# Altium PCB UNT 3-ALL.pcbdoc (part 1 of 4) (continued)
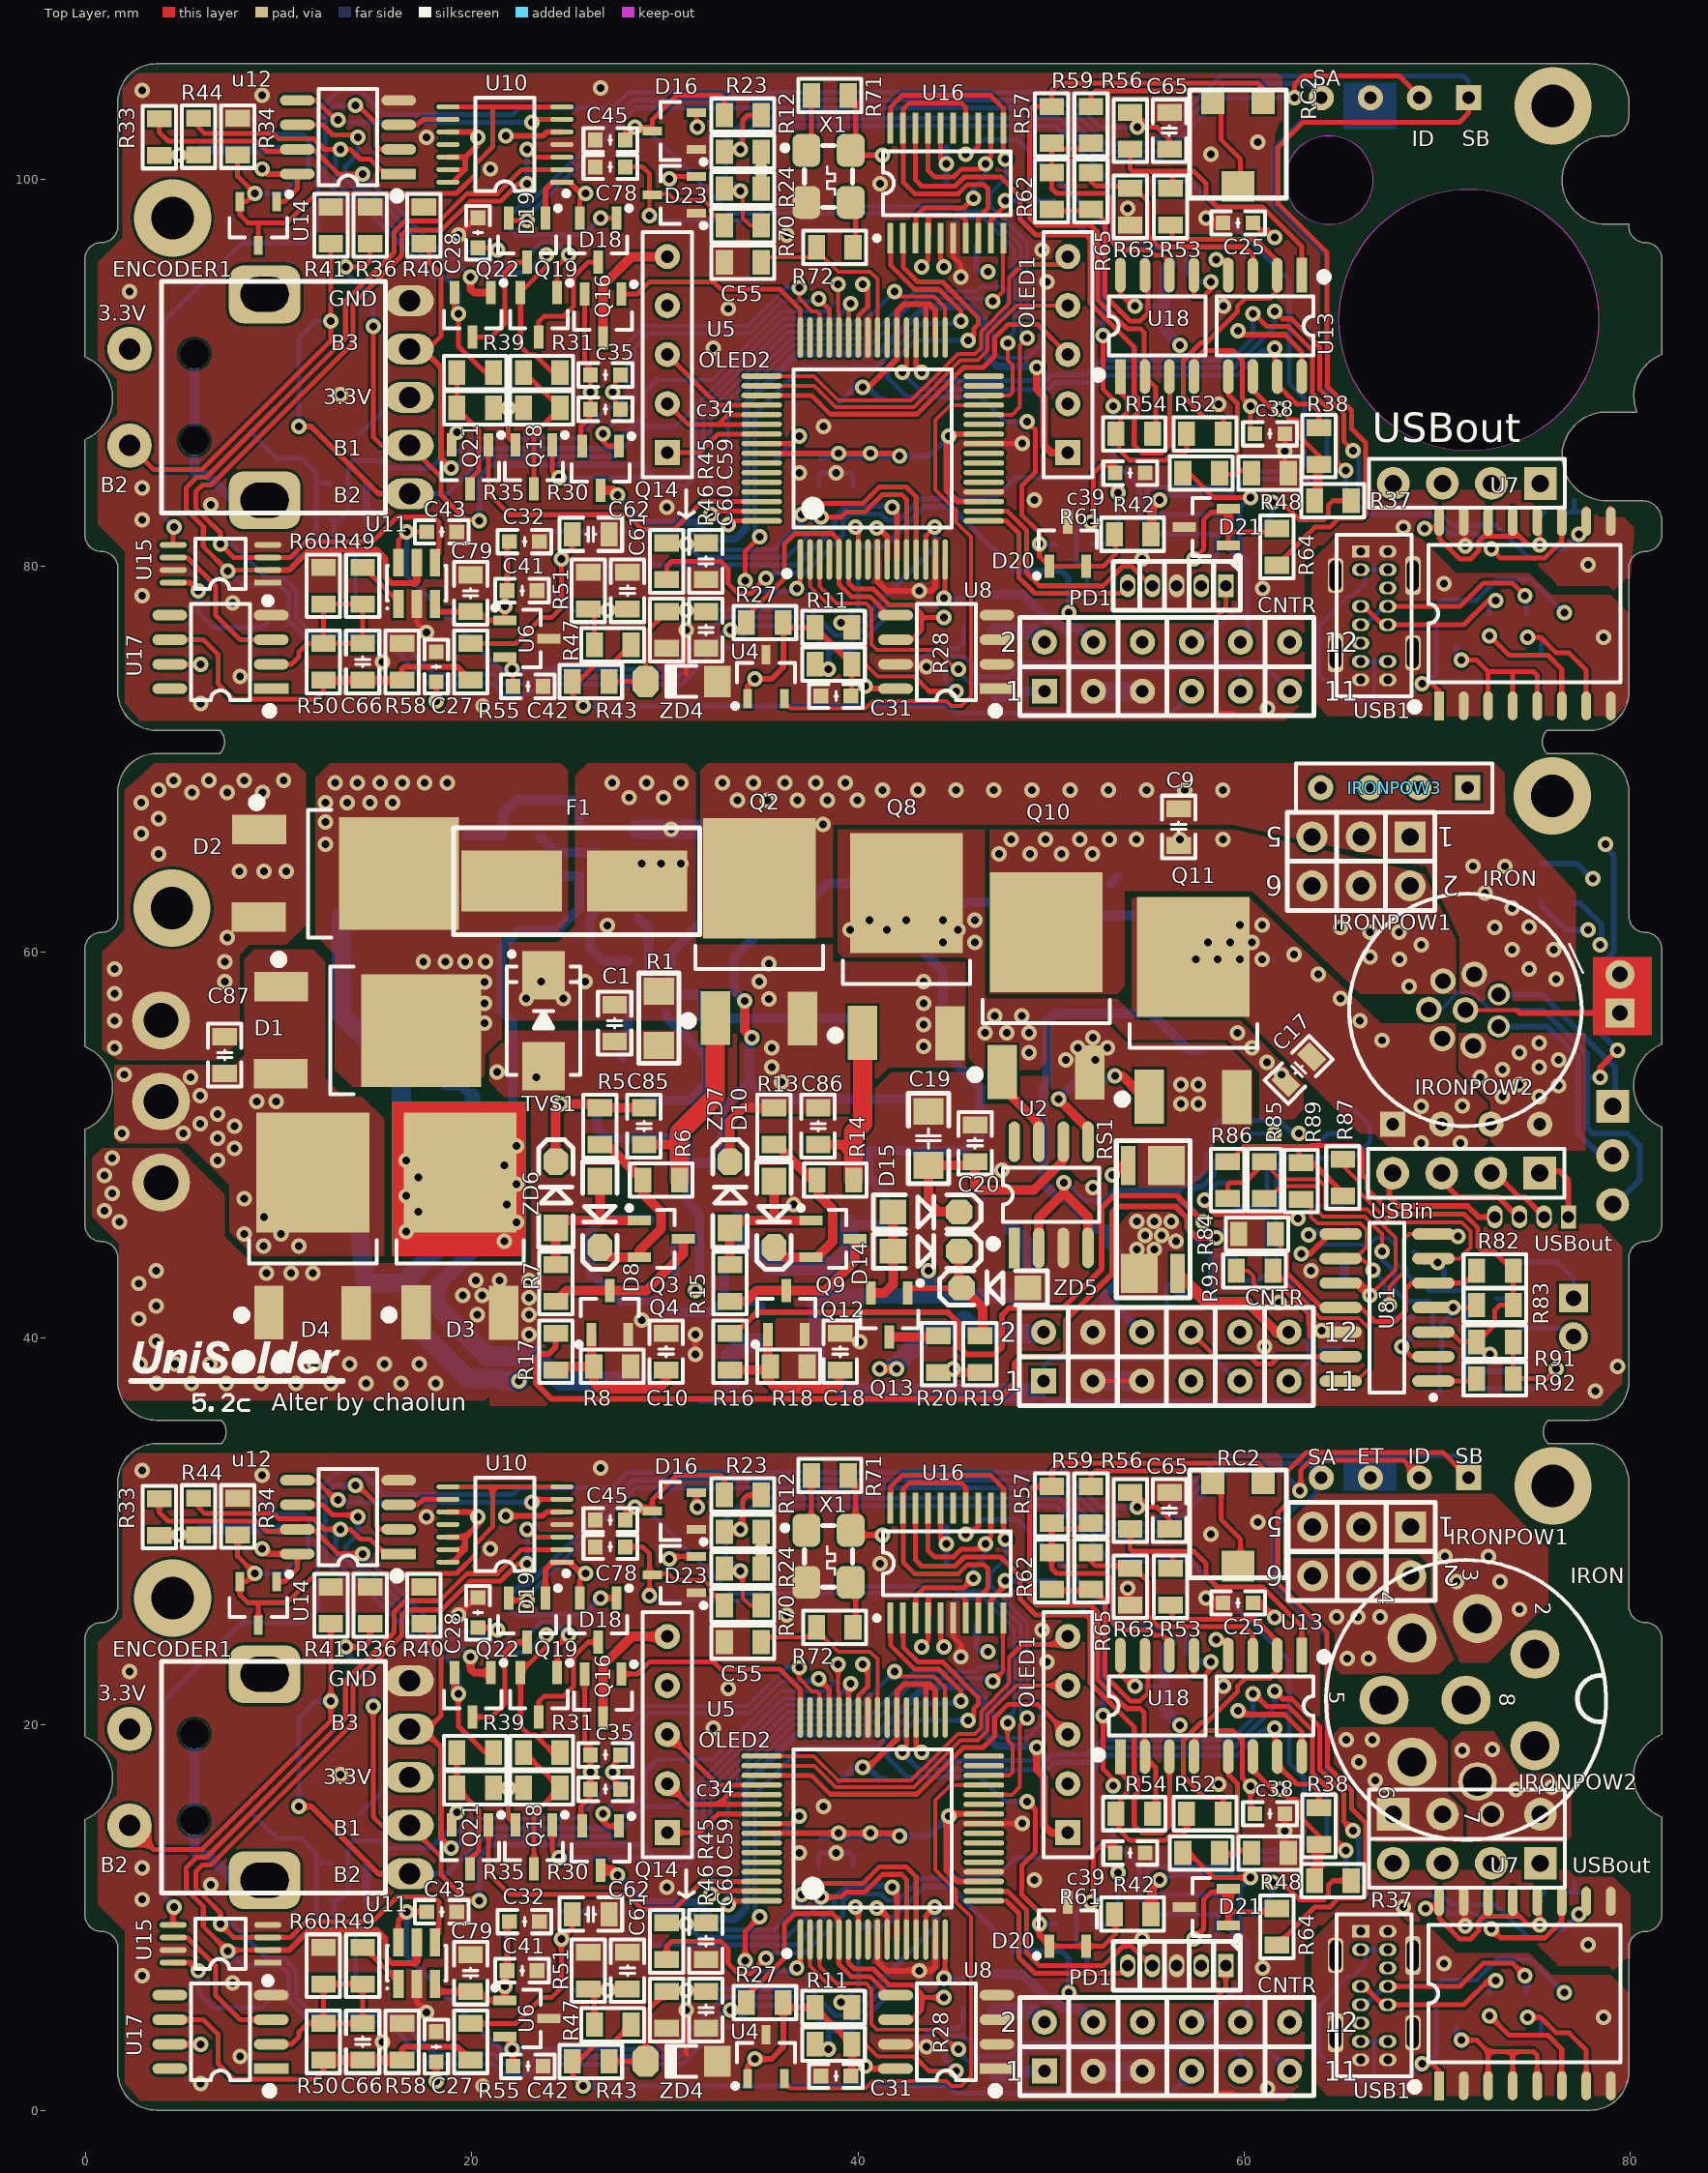
[diagram p0: Top Layer view]
## Components (designator, comment, footprint, x,y, rotation, side; value= is the part's Value field where it differs from the comment)
24VAC "HDR-1X3" 5569_1X3P 3.905,48.063 r180 bottom
C1 "10n100v" "C 0805_L" 27.4,56.318 r90 top
C2 "100n100v" "C 0805_L" 10.763,47.555 r270 bottom
C3 "10n100v" "C 0805_L" 13.79,61.799 r180 bottom
C4 "470UF16V" "CM E(8*10.2)" 13.252,54.921 r90 bottom
C5 "10n100v" "C 0805_L" 34.969,40.697 r270 bottom
C6 "100n100v" "C 0805_L" 33.953,49.079 r180 bottom
C7 "10n100v" "C 0805_L" 33.953,51.111 r180 bottom
C8 "220UF50V" "CM F(10*10.2)" 48.482,63.684 r180 bottom
C9 "10n100v" "C 0805_L" 56.61,66.478 r90 top
C10 "10n100v" "C 0805_L" 30.067,39.3 r270 top
C11 "220UF50V" "CM F(10*10.2)" 48.511,52.381 r180 bottom
C12 "100n100v" "C 0805_L" 28.746,54.54 r180 bottom
C13 "22UF50V" "CM D(6.3*7.7)" 23.412,58.096 r90 bottom
C14 "10u25v" "C 1206_L" 38.144,45.904 r180 bottom
C15 "10u25v" "C 1206_L" 51.657,45.65 r180 bottom
C16 "100n100v" "C 0805_L" 42.386,45.904 r0 bottom
C17 "10n100v" "C 0805_L" 62.833,53.905 r225 top
C18 "10n100v" "C 0805_L" 39.084,39.3 r270 top
C19 "10u25v" "C 1206_L" 43.656,50.349 r270 top
C20 "100n100v" "C 0805_L" 46.069,50.095 r270 top
C21 "100n100v" "C 0805_L" 64.992,40.443 r270 bottom
C22 "47UF50v" "CM D(6.3*7.7)" 38.195,65.589 r180 bottom
C23 "220u" "CD D(7343)" 55.88,89.514 r270 bottom
C23 "220u" "CD D(7343)" 55.88,18.034 r270 bottom
C24 "104" "C 0603_L" 56.261,96.499 r90 bottom
C24 "104" "C 0603_L" 56.261,25.019 r90 bottom
C25 "104" "C 0603_L" 59.69,97.769 r180 top
C25 "104" "C 0603_L" 59.69,26.289 r180 top
C26 "104" "C 0603_L" 10.541,102.341 r90 bottom
C26 "104" "C 0603_L" 10.541,30.861 r90 bottom
C27 "104" "C 0603_L" 18.161,74.782 r90 top
C27 "104" "C 0603_L" 18.161,3.302 r90 top
C28 "104" "C 0603_L" 20.32,97.261 r90 top
C28 "104" "C 0603_L" 20.32,25.781 r90 top
C29 "104" "C 0603_L" 43.815,99.674 r180 bottom
C29 "104" "C 0603_L" 43.815,28.194 r180 bottom
C30 "104" "C 0603_L" 43.815,101.706 r180 bottom
C30 "104" "C 0603_L" 43.815,30.226 r180 bottom
C31 "104" "C 0603_L" 38.862,73.258 r180 top
C31 "104" "C 0603_L" 38.862,1.778 r180 top
C32 "104" "C 0603_L" 22.733,81.259 r0 top
C32 "104" "C 0603_L" 22.733,9.779 r0 top
C33 "104" "C 0603_L" 45.36,96.612 r180 bottom
C33 "104" "C 0603_L" 45.36,25.132 r180 bottom
c34 "104" "C 0603_L" 26.924,88.117 r180 top (schematic designator C34)
c34 "104" "C 0603_L" 26.924,16.637 r180 top (schematic designator C34)
c35 "104" "C 0603_L" 26.924,89.895 r180 top (schematic designator C35)
c35 "104" "C 0603_L" 26.924,18.415 r180 top (schematic designator C35)
c36 "10u" "C 0805_L" 50.927,78.719 r180 bottom (schematic designator C36)
c36 "10u" "C 0805_L" 50.927,7.239 r180 bottom (schematic designator C36)
c37 "10u" "C 0805_L" 51.374,83.418 r180 bottom (schematic designator C37)
c37 "10u" "C 0805_L" 51.374,11.938 r180 bottom (schematic designator C37)
c38 "104" "C 0603_L" 61.341,86.847 r0 top (schematic designator C38)
c38 "104" "C 0603_L" 61.341,15.367 r0 top (schematic designator C38)
c39 "104" "C 0603_L" 54.102,84.815 r0 top (schematic designator C39)
c39 "104" "C 0603_L" 54.102,13.335 r0 top (schematic designator C39)
C40 "10u" "C 0805_L" 35.687,84.434 r90 bottom
C40 "10u" "C 0805_L" 35.687,12.954 r90 bottom
C41 "104" "C 0603_L" 22.606,78.719 r0 top
C41 "104" "C 0603_L" 22.606,7.239 r0 top
C42 "104" "C 0603_L" 22.911,73.766 r0 top
C42 "104" "C 0603_L" 22.911,2.286 r0 top
C43 "104" "C 0603_L" 18.445,81.767 r0 top
C43 "104" "C 0603_L" 18.445,10.287 r0 top
C44 "104" "C 0603_L" 45.466,77.576 r270 bottom
C44 "104" "C 0603_L" 45.466,6.096 r270 bottom
C45 "104" "C 0603_L" 27.178,102.062 r180 top
C45 "104" "C 0603_L" 27.178,30.582 r180 top
C46 "104" "C 0603_L" 76.327,82.783 r0 bottom
C46 "104" "C 0603_L" 76.327,11.303 r0 bottom
C47 "220UF" "CD D(7343)" 39.403,74.909 r0 bottom
C47 "220UF" "CD D(7343)" 39.403,3.429 r0 bottom
C48 "104" "C 0603_L" 41.402,87.863 r90 bottom
C48 "104" "C 0603_L" 41.402,16.383 r90 bottom
C49 "104" "C 0603_L" 42.926,84.921 r90 bottom
C49 "104" "C 0603_L" 42.926,13.441 r90 bottom
C50 "104" "C 0603_L" 37.973,84.921 r90 bottom
C50 "104" "C 0603_L" 37.973,13.441 r90 bottom
C51 "104" "C 0603_L" 39.751,84.921 r90 bottom
C51 "104" "C 0603_L" 39.751,13.441 r90 bottom
C52 "104" "C 0603_L" 41.402,84.921 r90 bottom
C52 "104" "C 0603_L" 41.402,13.441 r90 bottom
C53 "104" "C 0603_L" 72.771,79.481 r180 bottom
C53 "104" "C 0603_L" 72.771,8.001 r180 bottom
C54 "104" "C 0603_L" 70.993,76.56 r270 bottom
C54 "104" "C 0603_L" 70.993,5.08 r270 bottom
C55 "22pF" "R 0805_L" 34.036,95.737 r180 top
C55 "22pF" "R 0805_L" 34.036,24.257 r180 top
C57 "10u" "C 0805_L" 13.632,82.387 r180 bottom
C57 "10u" "C 0805_L" 13.632,10.907 r180 bottom
C58 "104" "C 0603_L" 7.9,102.38 r90 bottom
C58 "104" "C 0603_L" 7.9,30.9 r90 bottom
C59 "10N100V" "C 0805_L" 32.131,80.243 r270 top
C59 "10N100V" "C 0805_L" 32.131,8.763 r270 top
C60 "10N100V" "C 0805_L" 32.131,76.687 r270 top
C60 "10N100V" "C 0805_L" 32.131,5.207 r270 top
C61 "1n" "C 0805_L" 28.067,78.719 r270 top
C61 "1n" "C 0805_L" 28.067,7.239 r270 top
C62 "10N100V" "C 0805_L" 26.162,81.64 r0 top
C62 "10N100V" "C 0805_L" 26.162,10.16 r0 top
C63 "1n" "C 0805_L" 51.181,81.005 r0 bottom
C63 "1n" "C 0805_L" 51.181,9.525 r0 bottom
C64 "1n" "C 0805_L" 59.563,81.64 r0 bottom
C64 "1n" "C 0805_L" 59.563,10.16 r0 bottom
C65 "10N100V" "C 0805_L" 56.134,102.544 r90 top
C65 "10N100V" "C 0805_L" 56.134,31.064 r90 top
C66 "1n5%" "C 0805_L" 14.351,75.036 r270 top
C66 "1n5%" "C 0805_L" 14.351,3.556 r270 top
C78 "104" "C 0603_L" 27.178,100.665 r180 top
C78 "104" "C 0603_L" 27.178,29.185 r180 top
C79 "10u" "C 0805_L" 19.939,78.592 r270 top
C79 "10u" "C 0805_L" 19.939,7.112 r270 top
C80 "10u" "C 0805_L" 47.117,74.147 r270 bottom
C80 "10u" "C 0805_L" 47.117,2.667 r270 bottom
C81 "10u" "C 0805_L" 38.1,88.498 r0 bottom
C81 "10u" "C 0805_L" 38.1,17.018 r0 bottom
C82 "100n100v" "C 0805_L" 47.923,43.491 r0 bottom
C83 "10u25v" "C 1206_L" 46.577,45.65 r0 bottom
C84 "220uF/10V" "CD D(7343)" 56.127,46.344 r90 bottom
C85 "10n100v" "C 0805_L" 28.924,50.984 r90 top
C86 "10n100v" "C 0805_L" 37.941,50.984 r90 top
C87 "100n100v" "C 0805_L" 7.207,54.667 r90 top
c88 "10u" "C 0805_L" 47.117,77.576 r270 bottom (schematic designator C88)
c88 "10u" "C 0805_L" 47.117,6.096 r270 bottom (schematic designator C88)
C91 "330n100v" "C 0805_L" 47.72,39.3 r90 bottom
C92 "330nF" "C 0805_L" 65.78,37.164 r0 bottom
C93 "10n100v" "C 0805_L" 69.209,37.164 r0 bottom
C95 "330nF" "C 0805_L" 68.802,42.094 r90 bottom
C96 "10n100v" "C 0805_L" 68.802,45.396 r270 bottom
CNTR "Header 6X2" HDR2.54-LI-2x6P 56.007,74.782 r0 top
CNTR "Header 6X2" HDR2.54-LI-2x6P 55.975,39.046 r0 top
CNTR "Header 6X2" HDR2.54-LI-2x6P 56.007,3.302 r0 top
D1 "FERD30H100SB-TR" TO252 13.176,55.937 r270 top
D2 "FERD30H100SB-TR" TO252 12.033,64.065 r270 top
D3 "FERD30H100SB-TR" TO252 19.399,44.38 r0 top
D4 "FERD30H100SB-TR" TO252 11.768,44.374 r0 top
D5 "BAT46WH" SOD-123 31.159,50.603 r90 bottom
D6 "SS310" SMA 31.921,64.065 r270 bottom
D7 "SS310" SMA 31.54,46.158 r180 bottom
D8 "BAT46WH" SOD-123 26.638,46.412 r270 top
D9 "1N4007" SMA 58.261,66.605 r45 bottom
D10 "BAT46WH" SOD-123 35.655,46.412 r270 top
D11 "1N4007" SMA 28.797,64.065 r90 bottom
D12 "SS310" SMA 24.174,51.746 r180 bottom
D13 "1N4007" SMA 63.341,57.574 r270 bottom
D14 "BAT46WH" SOD-123 43.529,44.507 r0 top
D15 "BAT46WH" SOD-123 43.529,46.539 r0 top
D16 "BAV199" SOT23-3L 30.48,102.534 r90 top
D16 "BAV199" SOT23-3L 30.48,31.054 r90 top
D17 "BAV199" SOT23-3L 10.668,79.354 r180 bottom
D17 "BAV199" SOT23-3L 10.668,7.874 r180 bottom
D18 "MMBD1505A" SOT23-3N 26.543,96.88 r180 top
D18 "MMBD1505A" SOT23-3N 26.543,25.4 r180 top
D19 "MMBD1505A" SOT23-3N 22.86,96.88 r180 top
D19 "MMBD1505A" SOT23-3N 22.86,25.4 r180 top
D20 "BAV199" SOT23-3N 50.861,81.132 r0 top
D20 "BAV199" SOT23-3N 50.861,9.652 r0 top
D21 "BAV199" SOT23-3N 58.039,82.021 r90 top
D21 "BAV199" SOT23-3N 58.039,10.541 r90 top
D23 "BAV199" SOT23-3L 30.48,99.232 r90 top
D23 "BAV199" SOT23-3L 30.48,27.752 r90 top
D81 "BAV199" SOT23-3L 71.342,39.234 r270 bottom
D82 "BAV199" SOT23-3L 71.469,42.983 r270 bottom
EARTH "HDR-1X2" PH2.0-LI-2P 79.47,57.842 r90 bottom
ENCODER1 "HDR-1X9" EC11 9.527,88.738 r0 top
ENCODER1 "HDR-1X9" EC11 9.527,17.258 r0 top
F1 "LF1808 6.3A" 2410保险座 5.178,57.011 r0 top
IC2 "74H14" SOP14_M 62.452,46.793 r180 bottom
IRON "HDR-1X8" ECG.1B.308.CLN 71.468,57.002 r295 top
IRON "HDR-1X8" GX16-8P 71.5,21.258 r270 top
IRONPOW1 "Header3X2" HDR2.54-LI-2x3P 66.058,64.7 r180 top
IRONPOW1 "Header3X2" HDR2.54-LI-2x3P 66.09,28.956 r180 top
IRONPOW2 "Header2X2" HDR2.54-LI-4P#1 71.508,51.084 r0 bottom
IRONPOW2 "Header2X2" HDR2.54-LI-4P#2 71.54,15.34 r0 top
IRONPOW3 "Header2X2" HDR2.54-LI-4P#1 67.813,104.246 r180 bottom
IRONPOW3 "Header2X2" HDR2.54-LI-4P#1 67.781,68.51 r180 top
IRONPOW3 "Header2X2" HDR2.54-LI-4P#1 67.813,32.766 r180 bottom
L1 "330uh" CDRH125 20.11,43.237 r180 bottom
L2 "330uh" CDRH74 57.753,58.731 r270 bottom
L4 "330uh" CDRH74 41.624,40.443 r180 bottom
LS1 "PB1221" MLT-5020 11.049,89.26 r180 bottom
LS1 "PB1221" MLT-5020 11.049,17.78 r180 bottom
OLED1 "HDR-1X5" HDR2.54-M-LI-5P 50.877,90.948 r90 top
OLED1 "HDR-1X5" HDR2.54-M-LI-5P 50.877,19.468 r90 top
OLED2 "HDR-1X5" HDR2.54-M-LI-5P 30.127,90.948 r90 top
OLED2 "HDR-1X5" HDR2.54-M-LI-5P 30.127,19.468 r90 top
PD1 "HDR-1X5" HDR1.27-LI-5P 56.515,78.973 r180 top
PD1 "HDR-1X5" HDR1.27-LI-5P 56.515,7.493 r180 top
Q1 "MJD122" TO252 35.214,56.826 r90 bottom
Q2 "SUD50P08" TO252 34.893,59.62 r0 top
Q3 "MMBT5401" SOT23-3N 29.813,45.142 r270 top
Q4 "MMBT5551" SOT23-3N 27.146,41.332 r0 top
Q5 "MMBT5551" SOT23-3N 22.574,64.827 r0 bottom
Q6 "BC847C" SOT23-3N 51.53,42.729 r270 bottom
Q7 "BCX56-16" SOT89_L 37.941,49.714 r90 bottom
Q8 "SUD50P08" TO252 42.513,58.858 r0 top
Q9 "MMBT5401" SOT23-3N 38.703,45.142 r270 top
Q10 "IPD053N08" TO252 49.752,56.826 r0 top
Q11 "IPD053N08" TO252 57.372,55.556 r0 top
Q12 "MMBT5551" SOT23-3N 36.29,41.332 r0 top
Q13 "BC847C" SOT23-3N 41.624,41.205 r180 top
Q14 "IRLML6401" SOT23-3N 26.67,85.069 r180 top
Q14 "IRLML6401" SOT23-3N 26.67,13.589 r180 top
Q16 "IRLML6401" SOT23-3N 26.797,92.943 r180 top
Q16 "IRLML6401" SOT23-3N 26.797,21.463 r180 top
Q18 "IRLML6401" SOT23-3N 23.223,85.135 r180 top
Q18 "IRLML6401" SOT23-3N 23.223,13.655 r180 top
Q19 "IRLML6401" SOT23-3N 23.477,93.009 r180 top
Q19 "IRLML6401" SOT23-3N 23.477,21.529 r180 top
Q20 "IRLML2502" SOT23-3N 13.97,79.319 r0 bottom
Q20 "IRLML2502" SOT23-3N 13.97,7.839 r0 bottom
Q21 "IRLML6401" SOT23-3N 19.921,85.135 r180 top
Q21 "IRLML6401" SOT23-3N 19.921,13.655 r180 top
Q22 "IRLML6401" SOT23-3N 20.048,93.009 r180 top
Q22 "IRLML6401" SOT23-3N 20.048,21.529 r180 top
R1 "10K" "R 1206_L" 29.686,56.572 r90 top
R2 "4.7K" "R 0805_L" 31.017,56.572 r0 bottom
R3 "0" "R 0805_L" 18.637,52.127 r270 bottom
R4 "1.5k0.1%" "R 0805_L" 18.637,55.81 r270 bottom
R5 "3K" "R 0805_L" 26.638,50.984 r90 top
R6 "150" "R 0805_L" 29.813,48.19 r180 top
R7 "4.7K" "R 0805_L" 24.352,42.856 r90 top
R8 "30K" "R 0805_L" 27.273,38.538 r180 top
R9 "150" "R 0805_L" 28.111,58.604 r270 bottom
R10 "10K" "R 1206_L" 25.571,65.335 r90 bottom
R11 "3k" "R 0805_L" 38.735,76.814 r0 top
R11 "3k" "R 0805_L" 38.735,5.334 r0 top
R12 "3k" "R 0805_L" 34.036,101.452 r0 top
R12 "3k" "R 0805_L" 34.036,29.972 r0 top
R13 "3K" "R 0805_L" 35.655,50.984 r90 top
R14 "150" "R 0805_L" 38.83,48.19 r180 top
R15 "4.7K" "R 0805_L" 33.369,42.856 r90 top
R16 "3K" "R 0805_L" 33.369,39.3 r90 top
R17 "3K" "R 0805_L" 24.352,39.3 r90 top
R18 "30K" "R 0805_L" 36.417,38.538 r180 top
R19 "4.7K" "R 0805_L" 46.323,39.173 r90 top
R20 "330" "R 0805_L" 44.164,39.173 r90 top
R21 "4.7K" "R 0805_L" 63.976,52.254 r0 bottom
R22 "4.7K" "R 0805_L" 60.547,52.254 r180 bottom
R23 "1.8K" "R 0805_L" 34.036,103.357 r0 top
R23 "1.8K" "R 0805_L" 34.036,31.877 r0 top
R24 "1K 0.1%" "R 0805_L" 34.036,99.547 r0 top
R24 "1K 0.1%" "R 0805_L" 34.036,28.067 r0 top
R25 "27" "R 0805_L" 72.72,76.56 r90 bottom
R25 "27" "R 0805_L" 72.72,5.08 r90 bottom
R26 "27" "R 0805_L" 74.625,76.56 r90 bottom
R26 "27" "R 0805_L" 74.625,5.08 r90 bottom
R27 "1.8K" "R 0805_L" 35.179,77.068 r180 top
R27 "1.8K" "R 0805_L" 35.179,5.588 r180 top
R28 "1.8K" "R 0805_L" 38.735,74.909 r180 top
R28 "1.8K" "R 0805_L" 38.735,3.429 r180 top
R30 "1.5K 0.1%" "R 0805_L" 23.622,88.183 r180 top
R30 "1.5K 0.1%" "R 0805_L" 23.622,16.703 r180 top
R31 "100 0.1%" "R 0805_L" 23.622,90.022 r180 top
R31 "100 0.1%" "R 0805_L" 23.622,18.542 r180 top
R32 "330" "R 0805_L" 13.632,84.292 r180 bottom
R32 "330" "R 0805_L" 13.632,12.812 r180 bottom
R33 "1.8K" "R 0805_L" 3.81,102.214 r270 top
R33 "1.8K" "R 0805_L" 3.81,30.734 r270 top
R34 "1K 0.1%" "R 0805_L" 7.874,102.239 r270 top
R34 "1K 0.1%" "R 0805_L" 7.874,30.759 r270 top
R35 "1.5K 0.1%" "R 0805_L" 20.175,88.183 r0 top
R35 "1.5K 0.1%" "R 0805_L" 20.175,16.703 r0 top
R36 "3K" "R 0805_L" 14.732,97.642 r270 top
R36 "3K" "R 0805_L" 14.732,26.162 r270 top
R37 "1.5K0.1%" "R 0805_L" 64.6,83.38 r0 top
R37 "1.5K0.1%" "R 0805_L" 64.6,11.9 r0 top
R38 "47K0.1%" "R 0805_L" 63.881,86.212 r270 top
R38 "47K0.1%" "R 0805_L" 63.881,14.732 r270 top
R39 "100 0.1%" "R 0805_L" 20.175,90.022 r180 top
R39 "100 0.1%" "R 0805_L" 20.175,18.542 r180 top
R40 "3K" "R 0805_L" 17.526,97.642 r270 top
R40 "3K" "R 0805_L" 17.526,26.162 r270 top
R41 "3K" "R 0805_L" 12.7,97.642 r270 top
R41 "3K" "R 0805_L" 12.7,26.162 r270 top
R42 "1.5K0.1%" "R 0805_L" 57.785,84.815 r180 top
R42 "1.5K0.1%" "R 0805_L" 57.785,13.335 r180 top
R43 "15K" "R 0805_L" 26.162,74.02 r0 top
R43 "15K" "R 0805_L" 26.162,2.54 r0 top
R44 "1.8K" "R 0805_L" 5.842,102.239 r270 top
R44 "1.8K" "R 0805_L" 5.842,30.759 r270 top
R45 "3K" "R 0805_L" 30.099,80.243 r270 top
R45 "3K" "R 0805_L" 30.099,8.763 r270 top
R46 "3K" "R 0805_L" 30.099,76.687 r270 top
R46 "3K" "R 0805_L" 30.099,5.207 r270 top
R47 "27K0.1%" "R 0805_L" 27.305,75.925 r180 top
R47 "27K0.1%" "R 0805_L" 27.305,4.445 r180 top
R48 "47K0.1%" "R 0805_L" 61.341,84.815 r0 top
R48 "47K0.1%" "R 0805_L" 61.341,13.335 r0 top
R49 "27K0.1%" "R 0805_L" 14.351,78.973 r90 top
R49 "27K0.1%" "R 0805_L" 14.351,7.493 r90 top
R50 "27K0.1%" "R 0805_L" 12.319,75.036 r90 top
R50 "27K0.1%" "R 0805_L" 12.319,3.556 r90 top
R51 "1K0.1%" "R 0805_L" 26.035,78.719 r270 top
R51 "1K0.1%" "R 0805_L" 26.035,7.239 r270 top
R52 "1.5K0.1%" "R 0805_L" 57.973,86.847 r180 top
R52 "1.5K0.1%" "R 0805_L" 57.973,15.367 r180 top
R53 "10K0.1%" "R 0805_L" 56.188,98.607 r270 top
R53 "10K0.1%" "R 0805_L" 56.188,27.127 r270 top
R54 "1.5K 0.1%" "R 0805_L" 54.313,86.847 r180 top
R54 "1.5K 0.1%" "R 0805_L" 54.313,15.367 r180 top
R55 "1.5K" "R 0805_L" 19.939,75.036 r270 top
R55 "1.5K" "R 0805_L" 19.939,3.556 r270 top
R56 "1.5K" "R 0805_L" 54.102,102.544 r270 top
R56 "1.5K" "R 0805_L" 54.102,31.064 r270 top
R57 "1.8K" "R 0805_L" 50.038,102.849 r90 top
R57 "1.8K" "R 0805_L" 50.038,31.369 r90 top
R58 "3K" "R 0805_L" 16.383,75.036 r90 top
R58 "3K" "R 0805_L" 16.383,3.556 r90 top
R59 "1.5K" "R 0805_L" 52.07,102.849 r270 top
R59 "1.5K" "R 0805_L" 52.07,31.369 r270 top
R60 "1K0.1%" "R 0805_L" 12.319,78.973 r90 top
R60 "1K0.1%" "R 0805_L" 12.319,7.493 r90 top
R61 "15K" "R 0805_L" 54.229,81.64 r0 top
R61 "15K" "R 0805_L" 54.229,10.16 r0 top
R62 "1.5K 0.1%" "R 0805_L" 50.038,99.42 r90 top
R62 "1.5K 0.1%" "R 0805_L" 50.038,27.94 r90 top
R63 "10K0.1%" "R 0805_L" 54.102,98.607 r90 top
R63 "10K0.1%" "R 0805_L" 54.102,27.127 r90 top
R64 "15K" "R 0805_L" 61.706,80.992 r270 top
R64 "15K" "R 0805_L" 61.706,9.512 r270 top
R65 "1.5K0.1%" "R 0805_L" 52.07,99.42 r270 top
R65 "1.5K0.1%" "R 0805_L" 52.07,27.94 r270 top
R70 "1.8K" "R 0805_L" 34.036,97.642 r0 top
R70 "1.8K" "R 0805_L" 34.036,26.162 r0 top
R71 "10K" "R 0805_L" 38.542,104.373 r180 top
R71 "10K" "R 0805_L" 38.542,32.893 r180 top
R72 "33Ω" "R 0805_L" 38.801,96.499 r180 top
R72 "33Ω" "R 0805_L" 38.801,25.019 r180 top
R81 "200K" "R 0805_L" 74.263,39.554 r90 bottom
R82 "3K" "R 0805_L" 72.993,43.491 r180 top
R83 "10M" "R 0805_L" 72.993,41.713 r180 top
R84 "3K" "R 0805_L" 60.674,45.396 r180 top
R85 "3K" "R 0805_L" 61.055,48.19 r90 top
R86 "470K" "R 0805_L" 59.15,48.19 r90 top
R87 "10M" "R 0805_L" 65.118,48.317 r90 top
R88 "200K" "R 0805_L" 74.263,42.983 r90 bottom
R89 "3K" "R 0805_L" 62.96,48.141 r270 top
R90 "3K" "R 0805_L" 70.834,46.031 r90 bottom
R91 "470K" "R 0805_L" 72.993,39.808 r180 top
R92 "3K" "R 0805_L" 72.993,37.903 r0 top
R93 "3K" "R 0805_L" 60.547,43.491 r0 top
Radj "0" "R 0805_L" 75.406,63.557 r270 bottom
RC2 "2K" 3314j 59.69,101.96 r180 top
RC2 "2K" 3314j 59.69,30.48 r180 top
RGND1 "10000K" "R 2512_L" 77.978,76.56 r270 bottom
RGND1 "10000K" "R 2512_L" 77.978,5.08 r270 bottom
Rid1 "0" "R 0805_L" 78.2,64.573 r180 bottom
Rid2 "0" "R 0805_L" 78.2,62.541 r0 bottom
RS1 "WSL36373L000FEA 3637-R003" WSK2512 55.34,46.158 r90 top
sensor "HDR-1X3" HDR2.54-LI-3P 79.089,49.46 r270 bottom (schematic designator SENSOR)
SLTIP "HDR-1X2" PH2.0-LI-2P 77.057,41.078 r270 bottom
TVS1 "SMCJ60CA" SMB 23.717,56.445 r90 top
U1 "LM2675-3.3" SOP8_N 31.159,40.697 r90 bottom
U2 "TC4428ACOA" SOP8_M 50.006,47.428 r90 top
U4 "TC1047AVNBTR" SOT23-3L 35.24,74.274 r0 top
U4 "TC1047AVNBTR" SOT23-3L 35.24,2.794 r0 top
U5 "PIC32MX564F128H-I/PT" "TQFP64 10X10_M" 40.767,86.085 r0 top
U5 "PIC32MX564F128H-I/PT" "TQFP64 10X10_M" 40.767,14.605 r0 top
U6 "REF3030" SOT23-3N 22.86,76.24 r270 top
U6 "REF3030" SOT23-3N 22.86,4.76 r270 top
U7 "ADUM3160" SOP16W_L 74.55,77.53 r90 top
U7 "ADUM3160" SOP16W_L 74.55,6.05 r90 top
U8 "24LC64-I/SN" SOP8_N 44.577,75.544 r180 top
U8 "24LC64-I/SN" SOP8_N 44.577,4.064 r180 top
U10 "MCP4651-503E/ST" TSSOP14_L 21.717,101.833 r180 top
U10 "MCP4651-503E/ST" TSSOP14_L 21.717,30.353 r180 top
U11 "MCP4716A0T-E/CH" SOT23-6 17.145,79.1 r0 top
U11 "MCP4716A0T-E/CH" SOT23-6 17.145,7.62 r0 top
u12 "MCP6V27-E/SN" SOP8_N 13.589,102.214 r180 top
u12 "MCP6V27-E/SN" SOP8_N 13.589,30.734 r180 top
U13 "MCP6V27-E/SN" SOP8_N 61.087,92.435 r270 top
U13 "MCP6V27-E/SN" SOP8_N 61.087,20.955 r270 top
U14 "LM4041CIM3-1.2" SOT23-3L 8.95,97.73 r180 top
U14 "LM4041CIM3-1.2" SOT23-3L 8.95,26.25 r180 top
U15 "MCP4561T-503E/MS" MSOP8_N 6.985,80.116 r90 top
U15 "MCP4561T-503E/MS" MSOP8_N 6.985,8.636 r90 top
U16 "ADG734" TSSOP20 44.61,99.83 r0 top
U16 "ADG734" TSSOP20 44.61,28.35 r0 top
U17 "MCP6V28-E/SN" SOP8_N 6.985,75.544 r180 top
U17 "MCP6V28-E/SN" SOP8_N 6.985,4.064 r180 top
U18 "MCP6V27-E/SN" SOP8_N 55.499,92.435 r90 top
U18 "MCP6V27-E/SN" SOP8_N 55.499,20.955 r90 top
U81 "LM339D" 751A-02_N 67.405,41.586 r180 top
USB1 "MHDR1X15" USB-TYPEC-14P 66.04,80.751 r0 top
USB1 "MHDR1X15" USB-TYPEC-14P 66.04,9.271 r0 top
USBin "Header2X2" HDR2.54-LI-4P#3 71.508,48.544 r180 top
USBout "Header2X2" HDR2.54-LI-4P#3 71.54,84.28 r180 top
USBout "Header2X2" HDR1.27-LI-4P 74.898,46.285 r180 bottom
USBout "Header2X2" HDR2.54-LI-4P#3 71.54,12.8 r180 top
X1 "8M" XTAL-3225 38.481,100.182 r270 top
X1 "8M" XTAL-3225 38.481,28.702 r270 top
ZD1 "3V" SOD-123 19.729,64.319 r90 bottom
ZD2 "3V" SOD-123 17.189,64.446 r270 bottom
ZD3 "36V" DO-213AA 29,50.603 r90 bottom
ZD4 "3.0V" "MINI_MELF (LL34)" 30.861,74.02 r180 top
ZD4 "3.0V" "MINI_MELF (LL34)" 30.861,2.54 r180 top
ZD5 "15V" SOD-123 47.085,42.602 r180 top
ZD6 "15V" SOD-123 24.352,47.428 r90 top
ZD7 "15V" SOD-123 33.369,47.428 r90 top

## Footprints (in the part's own frame and the unit in brackets; to place one, negate y for a bottom-side part, rotate by r counter-clockwise, add the part's x,y. Pads: shape width x height; smd on the part's side, far side on the other; paste and mask are expansions set on the pad)
751A-02_N [mm] "SOIC, 14-Leads, Body 8.7x3.9mm, Pitch 1.27mm, IPC Medium Density"
  oval 2.2x0.6 smd: 1(-2.4,3.81) 2(-2.4,2.54) 3(-2.4,1.27) 4(-2.4,0) 5(-2.4,-1.27) 6(-2.4,-2.54) 7(-2.4,-3.81) 8(2.4,-3.81) 9(2.4,-2.54) 10(2.4,-1.27) 11(2.4,0) 12(2.4,1.27) 13(2.4,2.54) 14(2.4,3.81)
  silkscreen extent -2.53,-4.4 0.9,4.78, body extent -1.95,-4.33 1.95,4.33, height 1.75
2410保险座 [mm]
  rect 5.2x3.15 smd: 1(16.888,6.673) 2(23.388,6.673)
  silkscreen extent 13.89,3.89 26.64,9.42, body extent 15.11,4.14 25.18,9.17, height 2.65
3314j [mm] "5*5*1.5mm"
  rect 1.2x1.3 smd: 1(-1.3,-2.1) 3(1.3,-2.1)
  rect 1.7x1.6 smd: 2(0,2.3)
  silkscreen extent -2.5,-2.7 2.5,2.9, body extent -1.55,-2.06 1.55,2.05, height 1.45
5569_1X3P [mm]
  round 3 hole 1.8: 1(0,0) 2(0,4.2) 3(0,8.4)
  silkscreen extent -2.16,-3.81 2.16,10.92
"C 0603_L" [mil] "无极性贴片电容"
  rect 30x30 smd: 1(-30.59,0) 2(30.59,0)
  silkscreen extent -55,-24 55,24, body extent -31,-16 31,16, height 32
"C 0805_L" [mil] "无极性贴片电容"
  rect 35x50 smd: 1(-37.4,0) 2(37.4,0)
  silkscreen extent -64,-34 64,34, body extent -39,-24 39,24, height 20
"C 1206_L" [mil] "无极性贴片电容"
  rect 55x62 smd: 1(-55.12,0) 2(55.11,0)
  silkscreen extent -92,-41 92,41, body extent -63,-32 63,32, height 48
"CD D(7343)" [mm] "长7.3mm，宽4.3mm，厚2.8mm"
  rect 2.16x2.6 smd: 1(-3.429,-0.025) 2(3.353,-0.025)
  silkscreen extent -4.71,-2.06 4.67,2.03, body extent -3.65,-2.15 3.65,2.15, height 2.8
CDRH74 [mm] "7.3*7.3*4.5mm（长宽高）"
  rect 2x2 smd: 1(-3.81,0) 2(3.81,0)
  silkscreen extent -3.81,-3.81 3.81,3.81, body extent -3.65,-3.65 3.65,3.65, height 4.5
CDRH125 [mm] "12*12*5mm（长宽高）"
  rect 3x5 smd: 1(-6,0) 2(6,0)
  silkscreen extent -6.2,-6.2 6.2,6.2, body extent -6,-6 6,6, height 5.05
"CM D(6.3*7.7)" [mm] "贴片电解电容，直径6.3mm，高7.7mm"
  rect 2.7x1 smd: 1(3,0)
  oval 2.7x1 smd: 2(-3,0)
  silkscreen extent -3.3,-3.3 3.3,3.3, body extent -3.5,-3.3 3.5,3.3, height 7.7
"CM E(8*10.2)" [mm] "贴片电解电容，直径8mm，高10.2mm"
  rect 3x1.3 smd: 1(4,0)
  oval 3x1.3 smd: 2(-4,0)
  silkscreen extent -4.2,-4.2 4.2,4.2, body extent -4.5,-4.15 4.5,4.15, height 10.2
"CM F(10*10.2)" [mm] "贴片电解电容，直径10mm，高10.2mm"
  rect 3.8x1.3 smd: 1(5,0)
  oval 3.8x1.3 smd: 2(-5,0)
  silkscreen extent -5.2,-5.2 5.2,5.2, body extent -5.8,-5.15 5.8,5.15, height 10.2
DO-213AA [mm] "1.5*3.5mm(直径，脚距）"
  rect 1.37x1.62 smd: 1(-1.855,0)
  oct 1.37x1.62 smd: 2(1.855,0)
  silkscreen extent -0.76,-0.8 0.78,0.8, body extent -1.75,-0.75 1.75,0.75, height 1.53
EC11 [mm] "数字开关编码器"
  oval 2.5x1.6 hole 1.1: 1(7.25,-2.5) 2(7.25,0) 3(7.25,2.5) 8(7.25,-5) 9(7.25,5)
  round 2.3 hole 1.1: 4(-7.25,-2.5) 5(-7.25,2.5)
  rrect50% 3.7x3 hole 1.8 slot 2.5 at 0 deg: 6(-0.254,-5.334) 7(-0.254,5.334)
  round 1.5 hole 1.5: 7(-3.9,-2.25) 7(-3.9,2.25)
  silkscreen extent -5.59,-6 6,6, body extent -7.35,-6.24 7.45,6.24, height 22
ECG.1B.308.CLN [mil] "Socket, Female, Body 12mm dia. Height 19.8 mm, Through hole"
  round 45.28 hole 29.53: 1(0,75) 7(59,47)
  round 52 hole 32: 2(-58.5,47) 3(-72.91,-16.65) 4(-32.44,-67.4) 5(33,-67.4) 6(73,-16.65) 8(0,0)
  silkscreen extent -237,-237 237,249
GX16-8P [mm]
  round 2.54 hole 1.51: 1(2.37,3.562) 2(-2.37,3.562) 3(-4.217,0.59) 4(-3.213,-2.797) 5(0,-4.25) 6(3.213,-2.797) 8(0,0)
  round 2 hole 1.51: 7(4.217,0.59)
  silkscreen extent -7.25,-7.25 7.25,7.25
HDR1.27-LI-4P [mm] "直插，脚距：1.27mm"
  rect 0.8x1.2 hole 0.6: 1(-1.905,0)
  oval 0.8x1.2 hole 0.6: 2(-0.635,0) 3(0.635,0) 4(1.905,0)
  silkscreen extent -2.67,-1.27 2.67,1.27, body extent -2.54,-1.23 2.54,1.17, height 4.48
HDR1.27-LI-5P [mm] "直插，脚距：1.27mm"
  rect 0.8x1.2 hole 0.6: 1(-2.54,0)
  oval 0.8x1.2 hole 0.6: 2(-1.27,0) 3(0,0) 4(1.27,0) 5(2.54,0)
  silkscreen extent -3.3,-1.27 3.3,1.27, body extent -3.17,-1.2 3.17,1.2, height 4.48
HDR2.54-LI-2x3P [mm] "双排排针，3x2脚"
  rect 1.6x1.6 hole 0.9: 1(-2.54,-1.27)
  round 1.6 hole 0.9: 2(-2.54,1.27) 3(0,-1.27) 4(0,1.27) 5(2.54,-1.27) 6(2.54,1.27)
  silkscreen extent -3.81,-2.54 3.81,2.54, body extent -3.81,-2.54 3.81,2.54, height 8.5
HDR2.54-LI-2x6P [mm] "双排排针，6x2脚"
  rect 1.3x1.3 hole 0.65: 1(-6.35,-1.27)
  round 1.3 hole 0.65: 2(-6.35,1.27) 3(-3.81,-1.27) 4(-3.81,1.27) 5(-1.27,-1.27) 6(-1.27,1.27) 7(1.27,-1.27) 8(1.27,1.27) 9(3.81,-1.27) 10(3.81,1.27) 11(6.35,-1.27) 12(6.35,1.27)
  silkscreen extent -7.62,-2.54 7.62,2.54, body extent -7.62,-2.54 7.62,2.54, height 8.5
HDR2.54-LI-3P [mm] "排针，3脚"
  rect 1.7x1.7 hole 0.9: 1(-2.54,0)
  round 1.7 hole 0.9: 2(0,0) 3(2.54,0)
  silkscreen extent -3.81,-1.27 3.81,1.27, body extent -3.81,-1.27 3.81,1.27, height 8.5
HDR2.54-LI-4P#1 [mm] "排针，4脚"
  rect 1.3x1.3 hole 0.65: 1(-3.81,0)
  round 1.3 hole 0.65: 2(-1.27,0) 3(1.27,0) 4(3.81,0)
  silkscreen extent -5.08,-1.27 5.08,1.27, body extent -5.08,-1.27 5.08,1.27, height 8.5
HDR2.54-LI-4P#2 [mm] "排针，4脚"
  rect 1.7x1.7 hole 0.9: 1(-3.81,0)
  round 1.7 hole 0.9: 2(-1.27,0) 4(3.81,0)
  round 1.3 hole 0.9: 3(1.27,0)
  silkscreen extent -5.08,-1.27 5.08,1.27, body extent -5.08,-1.27 5.08,1.27, height 8.5
HDR2.54-LI-4P#3 [mm] "排针，4脚"
  rect 1.7x1.7 hole 0.9: 1(-3.81,0)
  round 1.7 hole 0.9: 2(-1.27,0) 3(1.27,0) 4(3.81,0)
  silkscreen extent -5.08,-1.27 5.08,1.27, body extent -5.08,-1.27 5.08,1.27, height 8.5
HDR2.54-M-LI-5P [mm] "排母，5脚"
  rect 1.3x1.3 hole 0.65: 1(-5.08,0)
  round 1.3 hole 0.65: 2(-2.54,0) 3(0,0) 4(2.54,0) 5(5.08,0)
  silkscreen extent -6.35,-1.27 6.35,1.27, body extent -6.35,-1.27 6.35,1.27, height 8.5
"MINI_MELF (LL34)" [mm] "1.5*3.4mm(直径，脚距）"
  rect 1.37x1.62 smd: 1(-1.855,0)
  oct 1.37x1.62 smd: 2(1.855,0)
  silkscreen extent -0.76,-0.8 0.78,0.8, body extent -1.7,-0.75 1.7,0.75, height 1.5
MLT-5020 [mm] "蜂鸣器"
  rect 3x2 smd: 1(-2.33,-2.374) 2(2.625,-2.375) 3(-2.375,1.25)
  silkscreen extent -2.5,-3.5 3.19,2.28, body extent -2.17,-3.29 2.91,1.79, height 1.27
MSOP8_N [mm] "塑封体长3mm，宽3mm，脚距0.65"
  rect 0.3x1.4 smd: 1(-0.975,-2.45)
  oval 0.3x1.4 smd: 2(-0.325,-2.45) 3(0.325,-2.45) 4(0.975,-2.45) 5(0.975,2.45) 6(0.325,2.45) 7(-0.325,2.45) 8(-0.975,2.45)
  silkscreen extent -2.07,-2.6 1.3,1.3, body extent -1.5,-2.45 1.5,2.45, height 0.95
PH2.0-LI-2P [mm] "长：5.9mm，宽：4.7mm，高：6mm"
  rect 1.5x1.5 hole 0.8: 1(-1,0)
  round 1.5 hole 0.8: 2(1,0)
  silkscreen extent -3.13,-3.08 3.06,1.82, body extent -2.95,-3 2.95,1.7, height 6.01
"R 0805_L" [mil] "1/8W贴片电阻"
  rect 35x50 smd: 1(-37.4,0) 2(37.4,0)
  silkscreen extent -64,-34 64,34, body extent -39,-25 39,25, height 20
"R 1206_L" [mil] "1/4W贴片电阻"
  rect 55x62 smd: 1(-55.12,0) 2(55.11,0)
  silkscreen extent -92,-41 92,41, body extent -63,-31 63,32, height 22
"R 2512_L" [mm] "1W贴片电阻"
  rect 1.65x3.2 smd: 1(-3,0) 2(3,0)
  silkscreen extent -4.06,-1.85 4.06,1.85, body extent -3.2,-1.6 3.2,1.6, height 0.55
SMA [mm] "4.5x2.6*2.2mm（长宽高，不包括引脚）"
  rect 2.2x1.75 smd: 1(-2.3,0) 2(2.3,0)
  silkscreen extent -2.7,-1.52 3.56,1.52, body extent -2.52,-1.3 2.57,1.3, height 2.15
SMB [mm] "4.7*3.9*2.2mm(长宽高，不包括引脚）"
  rect 2.5x2.2 smd: 1(-2.35,0) 2(2.35,0)
  silkscreen extent -2.8,-1.9 3.57,1.9, body extent -2.63,-1.8 2.67,1.8, height 2.35
SOD-123 [mil] "2.7x1.6X1.1mm（长宽高，不包括引脚）"
  rect 55x50 smd: 1(-67.5,0)
  oct 55x50 smd: 2(67.5,0)
  silkscreen extent -108,-35 112,35, body extent -73,-31 73,31, height 48
SOP8_M [mm] "5*6*1.8mm（长宽高）"
  rect 2.1x0.6 smd: 1(-2.75,1.905)
  oval 2.1x0.6 smd: 2(-2.75,0.635) 3(-2.75,-0.635) 4(-2.75,-1.905) 5(2.75,-1.905) 6(2.75,-0.635) 7(2.75,0.635) 8(2.75,1.905)
  silkscreen extent -2.69,-2.5 1.4,3.15, body extent -3,-2.5 3,2.5, height 1.9
SOP8_N [mm] "5*6*1.8mm（长宽高）"
  rect 1.8x0.55 smd: 1(-2.625,1.905)
  oval 1.8x0.55 smd: 2(-2.625,0.635) 3(-2.625,-0.635) 4(-2.625,-1.905) 5(2.625,-1.905) 6(2.625,-0.635) 7(2.625,0.635) 8(2.625,1.905)
  silkscreen extent -2.69,-2.5 1.52,3.2, body extent -3,-2.5 3,2.5, height 1.9
SOP14_M [mm] "8.7*6.2*1.8mm（长宽高）"
  rect 2.1x0.6 smd: 1(-2.75,3.81)
  oval 2.1x0.6 smd: 2(-2.75,2.54) 3(-2.75,1.27) 4(-2.75,0) 5(-2.75,-1.27) 6(-2.75,-2.54) 7(-2.75,-3.81) 8(2.75,-3.81) 9(2.75,-2.54) 10(2.75,-1.27) 11(2.75,0) 12(2.75,1.27) 13(2.75,2.54) 14(2.75,3.81)
  silkscreen extent -2.67,-4.06 1.4,5.21, body extent -3,-4.35 3,4.35, height 1.9
SOP16W_L [mm] "10.3*10.3*2.6mm（长宽高）"
  rect 1.5x0.5 smd: 1(-4.775,4.445)
  oval 1.5x0.5 smd: 2(-4.775,3.175) 3(-4.775,1.905) 4(-4.775,0.635) 5(-4.775,-0.635) 6(-4.775,-1.905) 7(-4.775,-3.175) 8(-4.775,-4.445) 9(4.775,-4.445) 10(4.775,-3.175) 11(4.775,-1.905) 12(4.775,-0.635) 13(4.775,0.635) 14(4.775,1.905) 15(4.775,3.175) 16(4.775,4.445)
  silkscreen extent -4.98,-4.95 3.56,5.87, body extent -5.15,-5.15 5.15,5.15, height 2.7
SOT23-3L [mm] "3x1.3x1mm(长宽高)"
  rect 0.45x1 smd: 1(-0.95,-1.143) 2(0.95,-1.143) 3(0,1.125)
  silkscreen extent -1.72,-1.65 1.5,0.7, body extent -1.5,-1.2 1.5,1.2, height 1.05
SOT23-3N [mm] "3x1.3x1mm(长宽高)"
  rect 0.5x1.2 smd: 1(-0.95,-1.143) 2(0.95,-1.143) 3(0,1.143)
  silkscreen extent -1.73,-1.78 1.5,0.7, body extent -1.5,-1.2 1.5,1.2, height 1.05
SOT23-6 [mm] "SOT-457/SC-74; 6 Leads; Body 3 x 3 mm, inc. leads (LxW max)"
  rect 0.55x1.45 smd: 1(-0.95,-1.075) 2(0,-1.075) 3(0.95,-1.075) 4(0.95,1.075) 5(0,1.075) 6(-0.95,1.075)
  silkscreen extent -1.57,-1.35 1.55,0.9
SOT89_L [mm] "4.6x4.3x1.6mm(长宽高)"
  rect 0.6x1.2 smd: 1(-1.5,-0.303) 3(1.5,-0.303)
  rect 0.6x2.1 smd: 2(0,0.127)
  oct 1.8x3 smd: 2(0,2.616)
  silkscreen extent -2.54,-1 2.54,3.05, body extent -2.3,-0.88 2.3,3.42, height 1.6
TO252 [mil] "252晶体管"
  rect 60x110 smd: 1(-89.55,-119.77) 3(88.45,-120.77)
  rect 230x245 smd: 2(0,165.35)
  silkscreen extent -153,-133 130,28, body extent -128,-120 128,251, height 91
"TQFP64 10X10_M" [mm] "64脚，体宽：10x10mm, 脚距：0.5mm"
  oval 0.29x2.1 smd: 1(-3.75,-5.752) 2(-3.25,-5.752) 3(-2.75,-5.752) 4(-2.25,-5.752) 5(-1.75,-5.752) 6(-1.25,-5.752) 7(-0.75,-5.752) 8(-0.25,-5.752) 9(0.25,-5.752) 10(0.75,-5.752) 11(1.25,-5.752) 12(1.75,-5.752) 13(2.25,-5.752) 14(2.75,-5.752) 15(3.25,-5.752) 16(3.75,-5.752) 33(3.75,5.752) 34(3.25,5.752) 35(2.75,5.752) 36(2.25,5.752) 37(1.75,5.752) 38(1.25,5.752) 39(0.75,5.752) 40(0.25,5.752) 41(-0.25,5.752) 42(-0.75,5.752) 43(-1.25,5.752) 44(-1.75,5.752) 45(-2.25,5.752) 46(-2.75,5.752) 47(-3.25,5.752) 48(-3.75,5.752)
  oval 2.1x0.29 smd: 17(5.752,-3.75) 18(5.752,-3.25) 19(5.752,-2.75) 20(5.752,-2.25) 21(5.752,-1.75) 22(5.752,-1.25) 23(5.752,-0.75) 24(5.752,-0.25) 25(5.752,0.25) 26(5.752,0.75) 27(5.752,1.25) 28(5.752,1.75) 29(5.752,2.25) 30(5.752,2.75) 31(5.752,3.25) 32(5.752,3.75) 49(-5.752,3.75) 50(-5.752,3.25) 51(-5.752,2.75) 52(-5.752,2.25) 53(-5.752,1.75) 54(-5.752,1.25) 55(-5.752,0.75) 56(-5.752,0.25) 57(-5.752,-0.25) 58(-5.752,-0.75) 59(-5.752,-1.25) 60(-5.752,-1.75) 61(-5.752,-2.25) 62(-5.752,-2.75) 63(-5.752,-3.25) 64(-5.752,-3.75)
  silkscreen extent -4.57,-6.6 4.1,4.1, body extent -6,-6 6.01,6, height 1.05
TSSOP14_L [mm] "5*6.4*1mm（长宽高）"
  rect 1.2x0.25 smd: 1(-2.95,1.95)
  oval 1.2x0.25 smd: 2(-2.95,1.3) 3(-2.95,0.65) 4(-2.95,0) 5(-2.95,-0.65) 6(-2.95,-1.3) 7(-2.95,-1.95) 8(2.95,-1.95) 9(2.95,-1.3) 10(2.95,-0.65) 11(2.95,0) 12(2.95,0.65) 13(2.95,1.3) 14(2.95,1.95)
  silkscreen extent -3.3,-2.41 1.52,2.67, body extent -3.2,-2.5 3.2,2.5, height 1.03
TSSOP20 [mm] "Shrink Small Outline; 20 Leads; Body Width 4.4 mm; Pitch 0.65 mm"
  rect 0.3x1.6 smd: 1(-2.925,-2.85) 2(-2.275,-2.85) 3(-1.625,-2.85) 4(-0.975,-2.85) 5(-0.325,-2.85) 6(0.325,-2.85) 7(0.975,-2.85) 8(1.625,-2.85) 9(2.275,-2.85) 10(2.925,-2.85) 11(2.925,2.85) 12(2.275,2.85) 13(1.625,2.85) 14(0.975,2.85) 15(0.325,2.85) 16(-0.325,2.85) 17(-0.975,2.85) 18(-1.625,2.85) 19(-2.275,2.85) 20(-2.925,2.85)
  silkscreen extent -3.75,-2.97 3.3,1.65
USB-TYPEC-14P [mm]
  rect 0.9x0.65 hole 0.45: 1(0,0)
  oval 0.9x0.65 hole 0.45: 2(0,-0.95) 3(0,-2.85) 4(0,-3.8) 5(0,-4.75) 6(0,-5.7) 7(0,-6.65) 8(1.4,-6.65) 9(1.4,-5.7) 10(1.4,-3.8) 11(1.4,-2.85) 12(1.4,-1.9) 13(1.4,-0.95) 14(1.4,0)
  rrect50% 0.8x2 hole 1.6 slot 0.6 at 0 deg: 15(-1.3,-5.25) 15(2.7,-1.25)
  rrect50% 0.8x1.8 hole 1.6 slot 0.6 at 0 deg: 15(-1.3,-1.25) 15(2.7,-5.25)
  silkscreen extent -1.25,-7.5 2.63,0.87
WSK2512 [mil] "四端合金电阻"
  rect 80x75.2 smd: 1(-110,30) 2(110,-25)
  rect 80x30 smd: 3(-110,-48) 4(110,53)
  silkscreen extent -160,-73 160,77, body extent -126,-60 126,66, height 22
XTAL-3225 [mm]
  rrect50% 1.7x1.45 smd: 1(-1.35,-1.15) 2(1.35,-1.15) 3(1.35,1.15) 4(-1.35,1.15)
  silkscreen extent -1.6,-2.39 1.6,1.25

## Part data
24VAC sensor: library part "Header 3", "3P接插件"
C1 C2 C3 C5 C6 C7 C9 C10 C12 C14 C15 C16 C17 C18 C19 C20 C21 C82 C83 C85 C86 C87 C91 C92 C93 C95 C96: library part C, "无极性贴片电容"
C4 C8 C11 C13 C22 C84: library part C-CM, "贴片电解电容"
C55 C55: library part 6420063, "Capacitor"
C59 C59 C60 C60 C61 C61 C62 C62 C63 C63 C64 C64 C65 C65 C66 C66: library part 104
CNTR CNTR CNTR: library part "Header  6X2", "6*2P接插件"
D1 D2 D3 D4: library part "POWER DIDIO"
D5 D8 D10 D14 D15: library part 1N4007, "整流二极管"
D6 D7 D12: library part SS210, "肖特基二极管"
D9 D11 D13: "整流二极管"
D16 D16 D17 D17 D20 D20 D21 D21 D23 D23 D81 D82: library part BAT54S, "表贴肖特基二极管"
D18 D18 D19 D19: library part BAT54A, "表贴肖特基二极管"
EARTH SLTIP: library part "Header 2", "2P接插件"
ENCODER1 ENCODER1: library part "Header 9", "9P接插件"
F1: library part FU, "贴片保险丝"
IC2: library part 74HC14, "COMS反相器"
IRON IRON: library part "Header 8", "8P接插件"
IRONPOW1 IRONPOW1: library part "Header 3X2", "3*2P接插件"
IRONPOW2 IRONPOW2 IRONPOW3 IRONPOW3 IRONPOW3 USBin USBout USBout USBout: library part "Header 2X2", "2*2P接插件"
L1 L2 L4: library part L-CDRH, "功率屏蔽电感"
LS1 LS1: library part DC5V
OLED1 OLED1 OLED2 OLED2 PD1 PD1: library part "Header 5", "5P接插件"
Q1: library part D882-SMD, "音频功放-NPN型"
Q2 Q8: library part D15P05, "P沟道 50V/15A"
Q3 Q9: library part 8550-SMD, "高频放大-PNP型"
Q4 Q5 Q6 Q7 Q12 Q13: library part 8050-SMD, "高频放大-NPN型"
Q10 Q11: library part 2SK3615, "N沟道 60V/12A"
Q14 Q14 Q16 Q16 Q18 Q18 Q19 Q19 Q21 Q21 Q22 Q22: library part AO3401, "P沟道 30V/4.2A"
Q20 Q20: library part AO3400, "N沟道 30V/4.2A"
R1 R2 R3 R4 R5 R6 R7 R8 R9 R10 R13 R14 R15 R16 R17 R18 R19 R20 R21 R22 R81 R82 R83 R84 R85 R86 R87 R88 R89 R90 R91 R92 R93: library part R, "贴片电阻"
R12 R12 R23 R23 R24 R24 R25 R25 R26 R26 R30 R30 R31 R31 R33 R33 R34 R34 R35 R35 R36 R36 R37 R37 R38 R38 R39 R39 R40 R40 R41 R41 R42 R42 R43 R43 R44 R44 R45 R45 R46 R46 R47 R47 R48 R48 R49 R49 R50 R50 R51 R51 R52 R52 R53 R53 R54 R54 R55 R55 R56 R56 R57 R57 R58 R58 R59 R59 R60 R60 R61 R61 R62 R62 R63 R63 R64 R64 R65 R65 R70 R70 Radj RGND1 RGND1 Rid1 Rid2: library part 330
R71 R71: library part 6350004, "Resistor（贴片）"
R72 R72: library part 6320121, "Resistor（贴片）"
RC2 RC2: library part RP-SMD, "贴片电位器"
TVS1: library part DR, "瞬态电压抑制二极管"
U1: library part ME2149-8pin, "DC升压芯片"
U2: library part 8002, "3W功放芯片"
U4 U4 U14 U14: library part LM4041CIM3-1.2/NOPB
U7 U7: library part ADUM3160BRWZ
U8 U8: library part 24Cxx, "外置EEPROM"
U11 U11: library part AS179-92, "射频开关芯片"
u12 u12: library part AD8667, "双运放"
U13 U13 U18 U18: library part LM358, "双路运放"
U15 U15: library part MAX6675, "K型热电偶检测芯片"
U16 U16: library part ADG734BRUZ-REEL
U17 U17: library part INA122, "微功耗仪表运放"
U81: "Quad Single-Supply Comparator"
USB1 USB1: "Header, 15-Pin"
X1 X1: library part XTAL-8M, "8M有源晶振"
ZD1 ZD2 ZD3 ZD5 ZD6 ZD7: library part 1N5256, "30V/0.5W稳压管"
ZD4 ZD4: library part 1N4733, "5.1V/1W稳压管"

## Via types
v1: diameter 0.8, hole 0.4, Top Layer to Bottom Layer, tented both sides, 702 vias
v2: diameter 4, hole 2.2, Top Layer to Bottom Layer, 6 vias